# KiCad board ETH1CLCR2.kicad_pcb (continued)
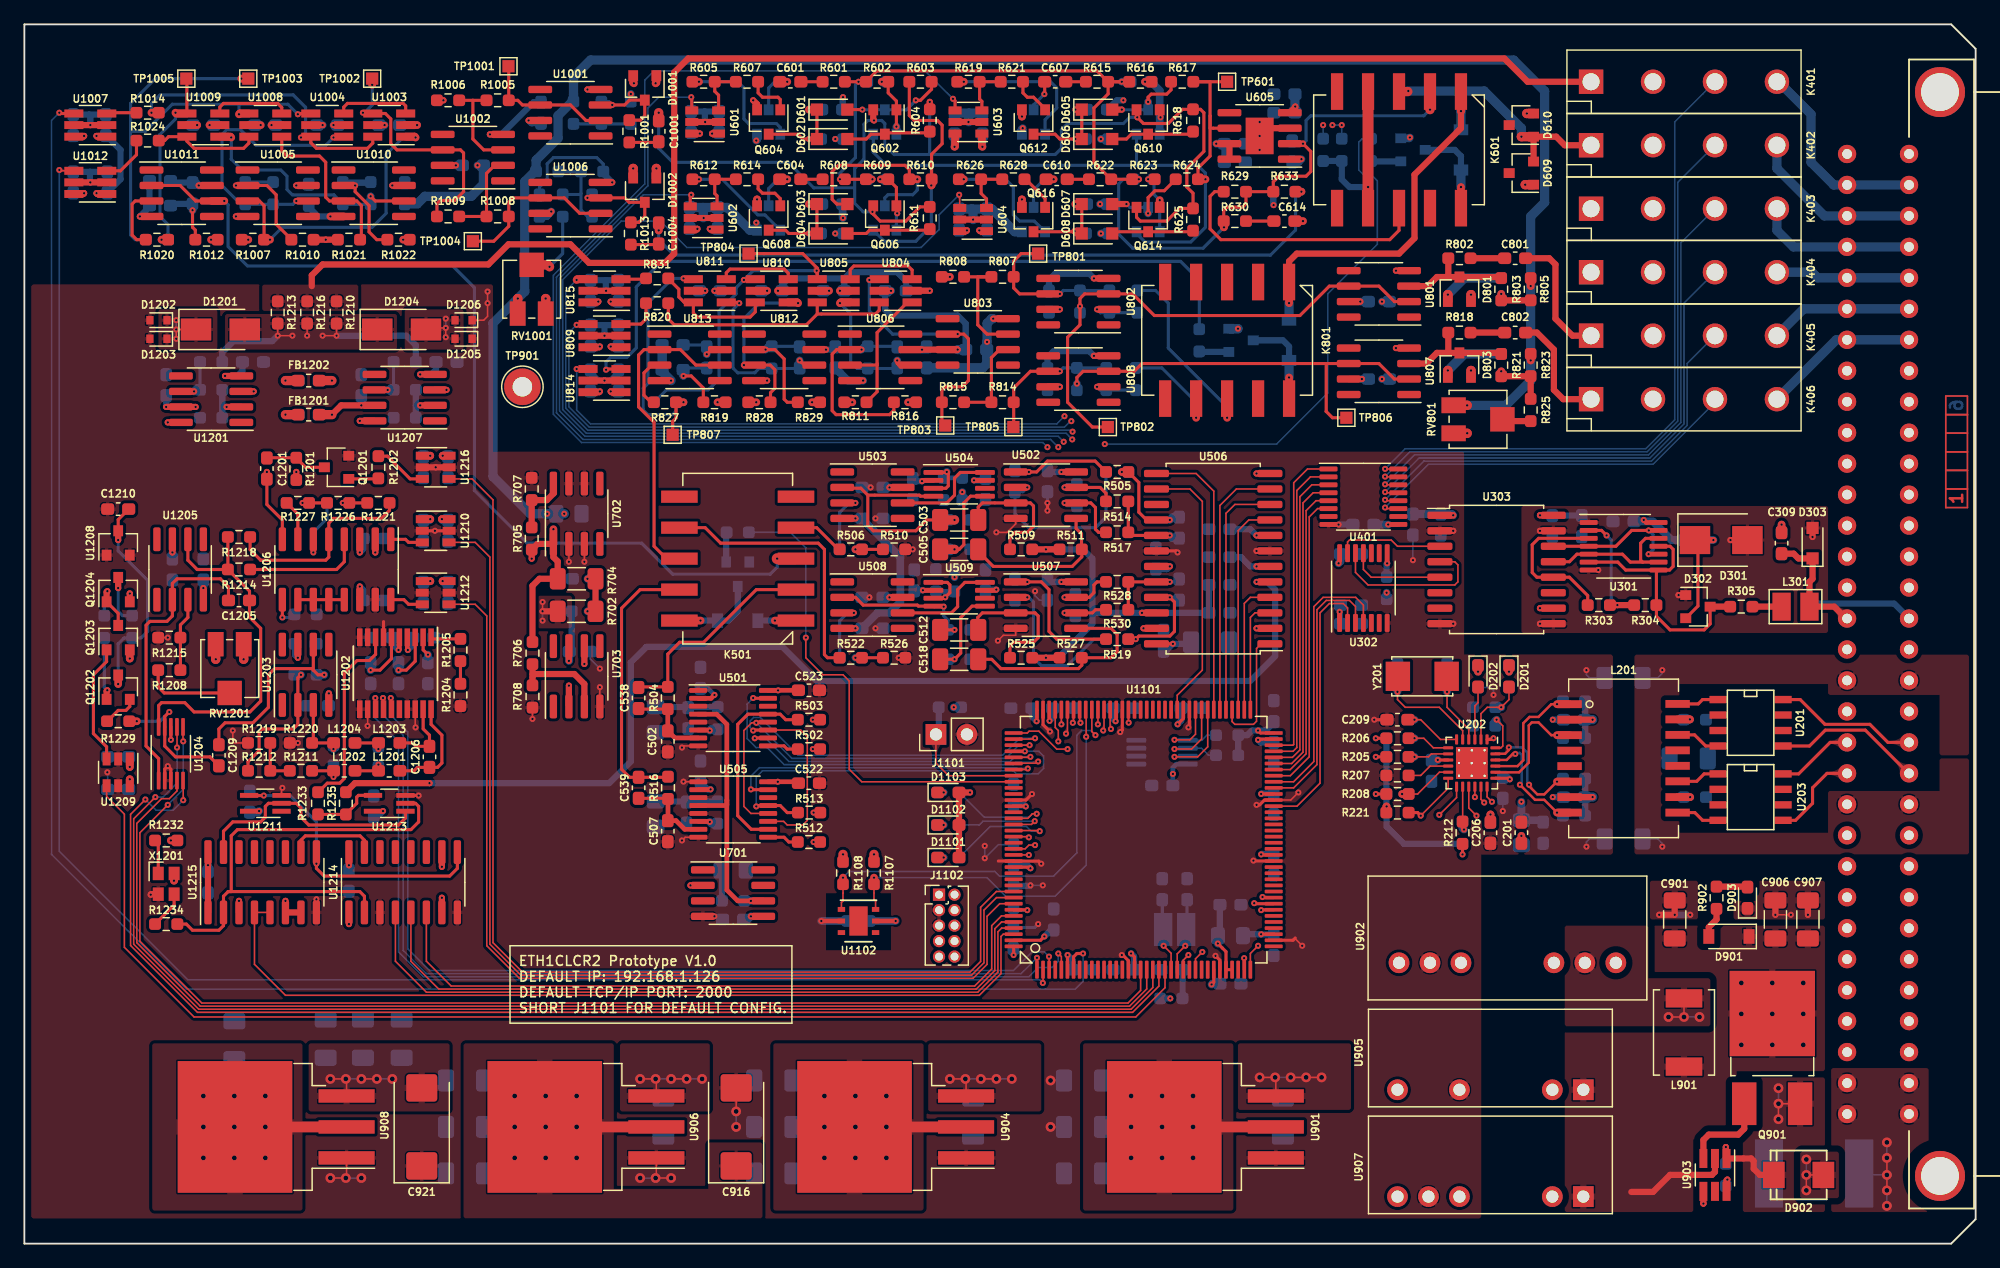
[diagram p0: board, top side]
## Placement (name value [footprint] x y rotation side) (continued)
J1101  Conn_02x01  [PinHeader_1x02_P2.54mm_Vertical]  74.75 41.77 90 top
J1102  20021111-00010T4LF  [PinHeader_2x05_P1.27mm_Vertical]  75 28.62 0 top
K401  HE3621A0510  [HE360_x-5050462-8]  136.09 95.3 0 top
K402  HE3621A0510  [HE360_x-5050462-8]  136.09 90.09 0 top
K403  HE3621A0510  [HE360_x-5050462-8]  136.09 84.88 0 top
K404  HE3621A0510  [HE360_x-5050462-8]  136.09 79.67 0 top
K405  HE3621A0510  [HE360_x-5050462-8]  136.09 74.47 0 top
K406  HE3621A0510  [HE360_x-5050462-8]  136.09 69.26 0 top
K501  TQ2SA-5V  [SA]  58.49 56.18 90 top
K601  TQ2SA-5V  [SA]  112.72 89.71 180 top
K801  TQ2SA-5V  [SA]  98.62 74.09 180 top
L201  -  [749010012A]  131.13 39.8 0 top
L301  CW252016-R33G  [CW252016]  145.23 52.24 180 top
L901  PM1608S-100M-RC  [PM1608S]  136.09 17.32 90 top
L1201  CBMF1608T100K  [L_0603_1608Metric_Pad1.05x0.95mm_HandSolder]  29.92 38.78 180 top
L1202  CBMF1608T100K  [L_0603_1608Metric_Pad1.05x0.95mm_HandSolder]  26.23 38.78 180 top
L1203  CBMF1608T100K  [L_0603_1608Metric_Pad1.05x0.95mm_HandSolder]  29.92 41.07 180 top
L1204  CBMF1608T100K  [L_0603_1608Metric_Pad1.05x0.95mm_HandSolder]  26.23 41.07 180 top
Q501  BC847  [SOT-23]  58.49 54.91 270 bottom
Q601  MMBFJ309LT1G  [SOT-23]  70.56 91.99 90 bottom
Q602  MMBFJ309LT1G  [SOT-23]  70.56 91.99 270 top
Q603  BC847  [SOT-23]  61.03 91.99 90 bottom
Q604  BC857  [SOT-23]  61.03 91.99 270 top
Q605  MMBFJ309LT1G  [SOT-23]  70.56 84.12 90 bottom
Q606  MMBFJ309LT1G  [SOT-23]  70.56 84.12 270 top
Q607  BC847  [SOT-23]  61.03 84.12 90 bottom
Q608  BC857  [SOT-23]  61.03 84.12 270 top
Q609  MMBFJ309LT1G  [SOT-23]  92.15 91.99 90 bottom
Q610  MMBFJ309LT1G  [SOT-23]  92.15 91.99 270 top
Q611  BC847  [SOT-23]  82.75 91.99 90 bottom
Q612  BC857  [SOT-23]  82.75 91.99 270 top
Q613  MMBFJ309LT1G  [SOT-23]  92.15 83.99 90 bottom
Q614  MMBFJ309LT1G  [SOT-23]  92.15 83.99 270 top
Q615  BC847  [SOT-23]  82.75 83.99 90 bottom
Q616  BC857  [SOT-23]  82.75 83.99 270 top
Q617  BC847  [SOT-23]  113.86 89.71 0 bottom
Q801  BC847  [SOT-23]  99.77 74.09 0 bottom
Q901  IRFR5410  [TO-252-2_Rectifier]  143.33 16.05 90 top
Q1201  FDV301N  [SOT-23]  25.6 63.67 180 top
Q1202  2SC3326B  [SOT-23]  7.69 45.64 90 top
Q1203  DTA144E  [SOT-23]  7.69 49.7 90 top
Q1204  DTC114E  [SOT-23]  7.69 53.64 90 top
R201  49R9  [R_0603_1608Metric_Pad0.98x0.95mm_HandSolder]  127.07 44.5 180 bottom
R202  49R9  [R_0603_1608Metric_Pad0.98x0.95mm_HandSolder]  127.07 41.45 180 bottom
R203  49R9  [R_0603_1608Metric_Pad0.98x0.95mm_HandSolder]  127.07 38.15 180 bottom
R204  49R9  [R_0603_1608Metric_Pad0.98x0.95mm_HandSolder]  127.07 35.1 180 bottom
R205  33  [R_0603_1608Metric_Pad0.98x0.95mm_HandSolder]  112.59 39.92 180 top
R206  33  [R_0603_1608Metric_Pad0.98x0.95mm_HandSolder]  112.59 41.45 180 top
R207  10k  [R_0603_1608Metric_Pad0.98x0.95mm_HandSolder]  112.59 38.4 180 top
R208  33  [R_0603_1608Metric_Pad0.98x0.95mm_HandSolder]  112.59 36.88 180 top
R209  12k1  [R_0603_1608Metric_Pad0.98x0.95mm_HandSolder]  119.71 42.46 0 bottom
R210  75/1%  [R_0603_1608Metric_Pad0.98x0.95mm_HandSolder]  136.98 36.62 0 bottom
R211  75/1%  [R_0603_1608Metric_Pad0.98x0.95mm_HandSolder]  136.98 42.97 0 bottom
R212  33  [R_0603_1608Metric_Pad0.98x0.95mm_HandSolder]  117.93 33.7 270 top
R213  10k  [R_0603_1608Metric_Pad0.98x0.95mm_HandSolder]  119.71 43.99 180 bottom
R214  270  [R_0603_1608Metric_Pad0.98x0.95mm_HandSolder]  121.74 46.53 270 bottom
R215  270  [R_0603_1608Metric_Pad0.98x0.95mm_HandSolder]  119.2 46.53 270 bottom
R216  1M/1kV  [R_1206_3216Metric_Pad1.30x1.75mm_HandSolder]  131.13 33.19 180 bottom
R217  10k  [R_0603_1608Metric_Pad0.98x0.95mm_HandSolder]  112.59 39.92 0 bottom
R218  10k  [R_0603_1608Metric_Pad0.98x0.95mm_HandSolder]  112.59 41.45 0 bottom
R219  10k  [R_0603_1608Metric_Pad0.98x0.95mm_HandSolder]  112.59 36.88 0 bottom
R220  10k  [R_0603_1608Metric_Pad0.98x0.95mm_HandSolder]  117.93 33.7 90 bottom
R221  1k5  [R_0603_1608Metric_Pad0.98x0.95mm_HandSolder]  112.59 35.35 0 top
R301  10k  [R_0603_1608Metric_Pad0.98x0.95mm_HandSolder]  111.7 53.77 90 bottom
R302  1k  [R_0603_1608Metric_Pad0.98x0.95mm_HandSolder]  136.85 57.7 0 bottom
R303  14k7  [R_0603_1608Metric_Pad0.98x0.95mm_HandSolder]  129.1 52.37 0 top
R304  100  [R_0603_1608Metric_Pad0.98x0.95mm_HandSolder]  132.91 52.37 0 top
R305  47  [R_0603_1608Metric_Pad0.98x0.95mm_HandSolder]  140.79 52.24 0 top
R306  51R1  [R_0603_1608Metric_Pad0.98x0.95mm_HandSolder]  144.09 57.45 270 bottom
R501  634/.1%  [R_0603_1608Metric_Pad0.98x0.95mm_HandSolder]  89.61 63.29 180 bottom
R502  10k  [R_0603_1608Metric_Pad0.98x0.95mm_HandSolder]  64.33 40.56 180 top
R503  10k  [R_0603_1608Metric_Pad0.98x0.95mm_HandSolder]  64.33 42.97 180 top
R504  0  [R_0603_1608Metric_Pad0.98x0.95mm_HandSolder]  52.76 44.75 90 top
R505  91/.1%  [R_0603_1608Metric_Pad0.98x0.95mm_HandSolder]  89.61 63.29 180 top
R506  10k/.1%  [R_0603_1608Metric_Pad0.98x0.95mm_HandSolder]  67.76 56.94 180 top
R507  300  [R_0603_1608Metric_Pad0.98x0.95mm_HandSolder]  67.76 56.94 0 bottom
R508  100k  [R_0603_1608Metric_Pad0.98x0.95mm_HandSolder]  76.65 59.36 0 bottom
R509  10k/.1%  [R_0603_1608Metric_Pad0.98x0.95mm_HandSolder]  81.73 56.94 0 top
R510  10k/.1%  [R_0603_1608Metric_Pad0.98x0.95mm_HandSolder]  71.32 56.94 180 top
R511  10k/.1%  [R_0603_1608Metric_Pad0.98x0.95mm_HandSolder]  85.8 56.94 180 top
R512  10k  [R_0603_1608Metric_Pad0.98x0.95mm_HandSolder]  64.33 32.94 180 top
R513  10k  [R_0603_1608Metric_Pad0.98x0.95mm_HandSolder]  64.35 35.35 180 top
R514  91/.1%  [R_0603_1608Metric_Pad0.98x0.95mm_HandSolder]  89.61 60.88 180 top
R515  100k  [R_0603_1608Metric_Pad0.98x0.95mm_HandSolder]  76.65 56.94 0 bottom
R516  0  [R_0603_1608Metric_Pad0.98x0.95mm_HandSolder]  52.78 37.38 90 top
R517  634/.1%  [R_0603_1608Metric_Pad0.98x0.95mm_HandSolder]  89.61 58.34 180 top
R518  634/.1%  [R_0603_1608Metric_Pad0.98x0.95mm_HandSolder]  89.61 49.58 180 bottom
R519  91/.1%  [R_0603_1608Metric_Pad0.98x0.95mm_HandSolder]  89.61 49.58 180 top
R520  0R22  [R_0603_1608Metric_Pad0.98x0.95mm_HandSolder]  56.86 43.1 90 bottom
R521  0R22  [R_0603_1608Metric_Pad0.98x0.95mm_HandSolder]  56.84 35.35 90 bottom
R522  10k/.1%  [R_0603_1608Metric_Pad0.98x0.95mm_HandSolder]  67.76 48.05 180 top
R523  300  [R_0603_1608Metric_Pad0.98x0.95mm_HandSolder]  67.76 48.05 0 bottom
R524  100k  [R_0603_1608Metric_Pad0.98x0.95mm_HandSolder]  76.65 50.34 0 bottom
R525  10k/.1%  [R_0603_1608Metric_Pad0.98x0.95mm_HandSolder]  81.73 48.05 0 top
R526  10k/.1%  [R_0603_1608Metric_Pad0.98x0.95mm_HandSolder]  71.32 48.05 180 top
R527  10k/.1%  [R_0603_1608Metric_Pad0.98x0.95mm_HandSolder]  85.8 48.05 180 top
R528  91/.1%  [R_0603_1608Metric_Pad0.98x0.95mm_HandSolder]  89.61 54.28 180 top
R529  100k  [R_0603_1608Metric_Pad0.98x0.95mm_HandSolder]  76.65 47.92 0 bottom
R530  634/.1%  [R_0603_1608Metric_Pad0.98x0.95mm_HandSolder]  89.61 51.99 180 top
R531  10k  [R_0603_1608Metric_Pad0.98x0.95mm_HandSolder]  58.49 58.34 180 bottom
R532  10k  [R_0603_1608Metric_Pad0.98x0.95mm_HandSolder]  75.38 61.89 270 bottom
R533  10k  [R_0603_1608Metric_Pad0.98x0.95mm_HandSolder]  76.91 61.89 270 bottom
R534  10k  [R_0603_1608Metric_Pad0.98x0.95mm_HandSolder]  74.75 54.4 90 bottom
R535  10k  [R_0603_1608Metric_Pad0.98x0.95mm_HandSolder]  76.27 54.4 90 bottom
R601  33/.1%  [R_0603_1608Metric_Pad0.98x0.95mm_HandSolder]  66.36 95.3 180 top
R602  100/.1%  [R_0603_1608Metric_Pad0.98x0.95mm_HandSolder]  69.92 95.3 180 top
R603  1Meg  [R_0603_1608Metric_Pad0.98x0.95mm_HandSolder]  73.48 95.3 0 top
R604  1Meg  [R_0603_1608Metric_Pad0.98x0.95mm_HandSolder]  74.24 92.12 270 top
R605  10k  [R_0603_1608Metric_Pad0.98x0.95mm_HandSolder]  55.7 95.3 0 top
R606  10k  [R_0603_1608Metric_Pad0.98x0.95mm_HandSolder]  66.24 90.6 0 bottom
R607  10k  [R_0603_1608Metric_Pad0.98x0.95mm_HandSolder]  59.25 95.3 180 top
R608  33/.1%  [R_0603_1608Metric_Pad0.98x0.95mm_HandSolder]  66.36 87.3 180 top
R609  1k/.1%  [R_0603_1608Metric_Pad0.98x0.95mm_HandSolder]  69.92 87.3 180 top
R610  1Meg  [R_0603_1608Metric_Pad0.98x0.95mm_HandSolder]  73.48 87.3 180 top
R611  1Meg  [R_0603_1608Metric_Pad0.98x0.95mm_HandSolder]  74.24 84.12 270 top
R612  10k  [R_0603_1608Metric_Pad0.98x0.95mm_HandSolder]  55.7 87.3 0 top
R613  10k  [R_0603_1608Metric_Pad0.98x0.95mm_HandSolder]  66.24 82.85 0 bottom
R614  10k  [R_0603_1608Metric_Pad0.98x0.95mm_HandSolder]  59.25 87.3 180 top
R615  DNP  [R_0603_1608Metric_Pad0.98x0.95mm_HandSolder]  87.96 95.3 180 top
R616  10k/.1%  [R_0603_1608Metric_Pad0.98x0.95mm_HandSolder]  91.51 95.3 180 top
R617  1Meg  [R_0603_1608Metric_Pad0.98x0.95mm_HandSolder]  94.94 95.3 180 top
R618  1Meg  [R_0603_1608Metric_Pad0.98x0.95mm_HandSolder]  95.83 92.12 270 top
R619  10k  [R_0603_1608Metric_Pad0.98x0.95mm_HandSolder]  77.41 95.3 0 top
R620  10k  [R_0603_1608Metric_Pad0.98x0.95mm_HandSolder]  87.96 90.6 0 bottom
R621  10k  [R_0603_1608Metric_Pad0.98x0.95mm_HandSolder]  80.97 95.3 180 top
R622  DNP  [R_0603_1608Metric_Pad0.98x0.95mm_HandSolder]  88.21 87.3 180 top
R623  100k/.1%  [R_0603_1608Metric_Pad0.98x0.95mm_HandSolder]  91.76 87.3 180 top
R624  1Meg  [R_0603_1608Metric_Pad0.98x0.95mm_HandSolder]  95.32 87.3 180 top
R625  1Meg  [R_0603_1608Metric_Pad0.98x0.95mm_HandSolder]  95.83 83.99 270 top
R626  10k  [R_0603_1608Metric_Pad0.98x0.95mm_HandSolder]  77.54 87.3 0 top
R627  10k  [R_0603_1608Metric_Pad0.98x0.95mm_HandSolder]  87.96 82.85 0 bottom
R628  10k  [R_0603_1608Metric_Pad0.98x0.95mm_HandSolder]  81.1 87.3 180 top
R629  100/.1%  [R_0603_1608Metric_Pad0.98x0.95mm_HandSolder]  99.26 86.28 180 top
R630  47/.1%  [R_0603_1608Metric_Pad0.98x0.95mm_HandSolder]  99.26 83.87 0 top
R631  2/.5%  [R_0603_1608Metric_Pad0.98x0.95mm_HandSolder]  106.5 89.71 90 bottom
R632  2/.5%  [R_0603_1608Metric_Pad0.98x0.95mm_HandSolder]  108.02 89.71 90 bottom
R633  0  [R_0603_1608Metric_Pad0.98x0.95mm_HandSolder]  103.32 86.28 180 top
R634  DNP  [R_0603_1608Metric_Pad0.98x0.95mm_HandSolder]  103.32 86.28 180 bottom
R635  10k  [R_0603_1608Metric_Pad0.98x0.95mm_HandSolder]  110.43 89.71 90 bottom
R701  0R22  [R_0603_1608Metric_Pad0.98x0.95mm_HandSolder]  58.11 28.11 180 bottom
R702  3R3/.5W  [R_1206_3216Metric_Pad1.30x1.75mm_HandSolder]  45.28 51.86 0 top
R703  10  [R_0603_1608Metric_Pad0.98x0.95mm_HandSolder]  45.79 51.86 0 bottom
R704  33/.5W  [R_1206_3216Metric_Pad1.30x1.75mm_HandSolder]  45.28 54.53 0 top
R705  220/.1%  [R_0603_1608Metric_Pad0.98x0.95mm_HandSolder]  41.6 57.83 90 top
R706  3k3/.1%  [R_0603_1608Metric_Pad0.98x0.95mm_HandSolder]  41.66 48.43 270 top
R707  1k1/.1%  [R_0603_1608Metric_Pad0.98x0.95mm_HandSolder]  41.6 61.89 90 top
R708  3k3/.1%  [R_0603_1608Metric_Pad0.98x0.95mm_HandSolder]  41.66 44.88 270 top
R801  DNP  [R_0603_1608Metric_Pad0.98x0.95mm_HandSolder]  86.56 77.26 270 bottom
R802  100/.1%  [R_0603_1608Metric_Pad0.98x0.95mm_HandSolder]  117.67 80.82 0 top
R803  1Meg  [R_0603_1608Metric_Pad0.98x0.95mm_HandSolder]  121.1 78.28 90 top
R804  2k/.1%  [R_0603_1608Metric_Pad0.98x0.95mm_HandSolder]  121.1 78.28 90 bottom
R805  2k/.1%  [R_0603_1608Metric_Pad0.98x0.95mm_HandSolder]  123.51 78.28 270 top
R806  1k8/.1%  [R_0603_1608Metric_Pad0.98x0.95mm_HandSolder]  88.97 77.26 270 bottom
R807  1k/.1%  [R_0603_1608Metric_Pad0.98x0.95mm_HandSolder]  80.21 79.29 0 top
R808  1k/.1%  [R_0603_1608Metric_Pad0.98x0.95mm_HandSolder]  76.14 79.29 0 top
R809  200/.1%  [R_0603_1608Metric_Pad0.98x0.95mm_HandSolder]  91.26 77.26 90 bottom
R810  200/.1%  [R_0603_1608Metric_Pad0.98x0.95mm_HandSolder]  91.13 70.91 270 bottom
R811  100k/.1%  [R_0603_1608Metric_Pad0.98x0.95mm_HandSolder]  68.14 69.01 180 top
R812  10k  [R_0603_1608Metric_Pad0.98x0.95mm_HandSolder]  96.34 74.09 90 bottom
R813  DNP  [R_0603_1608Metric_Pad0.98x0.95mm_HandSolder]  86.3 70.91 270 bottom
R814  1k/.1%  [R_0603_1608Metric_Pad0.98x0.95mm_HandSolder]  80.21 69.01 0 top
R815  1k/.1%  [R_0603_1608Metric_Pad0.98x0.95mm_HandSolder]  76.14 69.01 0 top
R816  2k/.1%  [R_0603_1608Metric_Pad0.98x0.95mm_HandSolder]  72.21 69.01 0 top
R817  18k/.1%  [R_0603_1608Metric_Pad0.98x0.95mm_HandSolder]  69.16 72.69 90 bottom
R818  100/.1%  [R_0603_1608Metric_Pad0.98x0.95mm_HandSolder]  117.67 74.72 0 top
R819  100  [R_0603_1608Metric_Pad0.98x0.95mm_HandSolder]  56.59 69.01 0 top
R820  1k  [R_0603_1608Metric_Pad0.98x0.95mm_HandSolder]  51.89 77.13 180 top
R821  1Meg  [R_0603_1608Metric_Pad0.98x0.95mm_HandSolder]  121.1 72.06 90 top
R822  2k/.1%  [R_0603_1608Metric_Pad0.98x0.95mm_HandSolder]  121.1 72.06 90 bottom
R823  2k/.1%  [R_0603_1608Metric_Pad0.98x0.95mm_HandSolder]  123.51 72.06 270 top
R824  DNP  [R_0603_1608Metric_Pad0.98x0.95mm_HandSolder]  52.52 69.01 0 bottom
R825  47k/.1%  [R_0603_1608Metric_Pad0.98x0.95mm_HandSolder]  123.51 68.37 90 top
R826  1k8/.1%  [R_0603_1608Metric_Pad0.98x0.95mm_HandSolder]  88.72 70.91 270 bottom
R827  3k3/.1%  [R_0603_1608Metric_Pad0.98x0.95mm_HandSolder]  52.52 69.01 0 top
R828  100k/.1%  [R_0603_1608Metric_Pad0.98x0.95mm_HandSolder]  60.27 69.01 180 top
R829  2k/.1%  [R_0603_1608Metric_Pad0.98x0.95mm_HandSolder]  64.33 69.01 0 top
R830  18k/.1%  [R_0603_1608Metric_Pad0.98x0.95mm_HandSolder]  61.28 72.69 90 bottom
R831  1k  [R_0603_1608Metric_Pad0.98x0.95mm_HandSolder]  51.89 79.17 180 top
R901  100k  [R_0603_1608Metric_Pad0.98x0.95mm_HandSolder]  139.52 5.63 270 bottom
R902  330  [R_0603_1608Metric_Pad0.98x0.95mm_HandSolder]  138.75 28.37 90 top
R1001  100/.1%  [R_0603_1608Metric_Pad0.98x0.95mm_HandSolder]  49.6 91.23 270 top
R1002  1Meg  [R_0603_1608Metric_Pad0.98x0.95mm_HandSolder]  47.31 92.76 90 bottom
R1003  2k/.1%  [R_0603_1608Metric_Pad0.98x0.95mm_HandSolder]  49.73 92.76 90 bottom
R1004  2k/.1%  [R_0603_1608Metric_Pad0.98x0.95mm_HandSolder]  45.03 92.76 270 bottom
R1005  1k/.1%  [R_0603_1608Metric_Pad0.98x0.95mm_HandSolder]  38.81 93.77 0 top
R1006  1k/.1%  [R_0603_1608Metric_Pad0.98x0.95mm_HandSolder]  34.74 93.77 0 top
R1007  100k/.1%  [R_0603_1608Metric_Pad0.98x0.95mm_HandSolder]  18.74 82.34 180 top
R1008  1k/.1%  [R_0603_1608Metric_Pad0.98x0.95mm_HandSolder]  38.81 84.25 0 top
R1009  1k/.1%  [R_0603_1608Metric_Pad0.98x0.95mm_HandSolder]  34.74 84.25 0 top
R1010  2k/.1%  [R_0603_1608Metric_Pad0.98x0.95mm_HandSolder]  22.8 82.34 0 top
R1011  18k/.1%  [R_0603_1608Metric_Pad0.98x0.95mm_HandSolder]  20.39 86.15 90 bottom
R1012  100  [R_0603_1608Metric_Pad0.98x0.95mm_HandSolder]  14.93 82.34 0 top
R1013  100/.1%  [R_0603_1608Metric_Pad0.98x0.95mm_HandSolder]  49.73 82.85 270 top
R1014  1k  [R_0603_1608Metric_Pad0.98x0.95mm_HandSolder]  10.1 92.76 180 top
R1015  1Meg  [R_0603_1608Metric_Pad0.98x0.95mm_HandSolder]  46.55 85.14 90 bottom
R1016  DNP  [R_0603_1608Metric_Pad0.98x0.95mm_HandSolder]  10.87 82.34 0 bottom
R1017  2k/.1%  [R_0603_1608Metric_Pad0.98x0.95mm_HandSolder]  46.55 87.93 0 bottom
R1018  2k/.1%  [R_0603_1608Metric_Pad0.98x0.95mm_HandSolder]  42.87 87.93 0 bottom
R1019  47k/.1%  [R_0603_1608Metric_Pad0.98x0.95mm_HandSolder]  44.14 85.14 90 bottom
R1020  3k3/.1%  [R_0603_1608Metric_Pad0.98x0.95mm_HandSolder]  10.87 82.34 0 top
R1021  100k/.1%  [R_0603_1608Metric_Pad0.98x0.95mm_HandSolder]  26.61 82.34 180 top
R1022  2k/.1%  [R_0603_1608Metric_Pad0.98x0.95mm_HandSolder]  30.68 82.34 0 top
R1023  18k/.1%  [R_0603_1608Metric_Pad0.98x0.95mm_HandSolder]  28.39 86.15 90 bottom
R1024  1k  [R_0603_1608Metric_Pad0.98x0.95mm_HandSolder]  10.1 90.47 180 top
R1101  680  [R_0603_1608Metric_Pad0.98x0.95mm_HandSolder]  75.76 31.67 180 bottom
R1102  560  [R_0603_1608Metric_Pad0.98x0.95mm_HandSolder]  75.76 34.34 180 bottom
R1103  680  [R_0603_1608Metric_Pad0.98x0.95mm_HandSolder]  75.76 37 180 bottom
R1104  10k  [R_0603_1608Metric_Pad0.98x0.95mm_HandSolder]  94.05 20.11 0 bottom
R1105  10k  [R_0603_1608Metric_Pad0.98x0.95mm_HandSolder]  81.11 28.43 90 bottom
R1106  10k  [R_0603_1608Metric_Pad0.98x0.95mm_HandSolder]  75.89 43.99 0 bottom
R1107  4k7  [R_0603_1608Metric_Pad0.98x0.95mm_HandSolder]  69.67 30.4 270 top
R1108  4k7  [R_0603_1608Metric_Pad0.98x0.95mm_HandSolder]  67.13 30.4 270 top
R1109  4k7  [R_0603_1608Metric_Pad0.98x0.95mm_HandSolder]  98.62 41.7 180 bottom
R1110  4k7  [R_0603_1608Metric_Pad0.98x0.95mm_HandSolder]  98.62 40.05 180 bottom
R1201  100k  [R_0603_1608Metric_Pad0.98x0.95mm_HandSolder]  22.3 63.55 90 top
R1202  4k7  [R_0603_1608Metric_Pad0.98x0.95mm_HandSolder]  29.03 63.67 90 top
R1203  680/.1%  [R_0603_1608Metric_Pad0.98x0.95mm_HandSolder]  15.31 70.02 0 bottom
R1204  6k8  [R_0603_1608Metric_Pad0.98x0.95mm_HandSolder]  35.76 45 90 top
R1205  2k  [R_0603_1608Metric_Pad0.98x0.95mm_HandSolder]  35.76 48.69 90 top
R1206  100  [R_0603_1608Metric_Pad0.98x0.95mm_HandSolder]  15.31 72.31 180 bottom
R1207  820  [R_0603_1608Metric_Pad0.98x0.95mm_HandSolder]  23.06 46.66 180 bottom
R1208  100k  [R_0603_1608Metric_Pad0.98x0.95mm_HandSolder]  11.88 47.04 0 top
R1209  330/.1%  [R_0603_1608Metric_Pad0.98x0.95mm_HandSolder]  15.31 67.74 180 bottom
R1210  150  [R_0603_1608Metric_Pad0.98x0.95mm_HandSolder]  25.6 76.37 270 top
R1211  200  [R_0603_1608Metric_Pad0.98x0.95mm_HandSolder]  22.68 38.78 0 top
R1212  200  [R_0603_1608Metric_Pad0.98x0.95mm_HandSolder]  19.25 38.78 0 top
R1213  150  [R_0603_1608Metric_Pad0.98x0.95mm_HandSolder]  20.77 76.37 270 top
R1214  220  [R_0603_1608Metric_Pad0.98x0.95mm_HandSolder]  17.6 55.29 180 top
R1215  200  [R_0603_1608Metric_Pad0.98x0.95mm_HandSolder]  11.88 49.7 180 top
R1216  150  [R_0603_1608Metric_Pad0.98x0.95mm_HandSolder]  23.19 76.37 270 top
R1217  680/.1%  [R_0603_1608Metric_Pad0.98x0.95mm_HandSolder]  31.19 70.02 0 bottom
R1218  680  [R_0603_1608Metric_Pad0.98x0.95mm_HandSolder]  17.6 57.96 180 top
R1219  330  [R_0603_1608Metric_Pad0.98x0.95mm_HandSolder]  19.25 41.07 180 top
R1220  200  [R_0603_1608Metric_Pad0.98x0.95mm_HandSolder]  22.68 41.07 180 top
R1221  220  [R_0603_1608Metric_Pad0.98x0.95mm_HandSolder]  29.03 60.75 180 top
R1222  1k  [R_0603_1608Metric_Pad0.98x0.95mm_HandSolder]  23.06 51.61 0 bottom
R1223  100  [R_0603_1608Metric_Pad0.98x0.95mm_HandSolder]  25.72 60.75 0 bottom
R1224  100  [R_0603_1608Metric_Pad0.98x0.95mm_HandSolder]  31.19 72.31 180 bottom
R1225  330/.1%  [R_0603_1608Metric_Pad0.98x0.95mm_HandSolder]  31.19 67.74 180 bottom
R1226  68  [R_0603_1608Metric_Pad0.98x0.95mm_HandSolder]  25.72 60.75 180 top
R1227  200  [R_0603_1608Metric_Pad0.98x0.95mm_HandSolder]  22.42 60.75 0 top
R1228  33  [R_0603_1608Metric_Pad0.98x0.95mm_HandSolder]  22.42 60.75 180 bottom
R1229  51  [R_0603_1608Metric_Pad0.98x0.95mm_HandSolder]  7.69 42.84 180 top
R1230  10k  [R_0603_1608Metric_Pad0.98x0.95mm_HandSolder]  6.55 50.59 90 bottom
R1231  680  [R_0603_1608Metric_Pad0.98x0.95mm_HandSolder]  8.83 50.59 90 bottom
R1232  4k7  [R_0603_1608Metric_Pad0.98x0.95mm_HandSolder]  11.63 33.07 180 top
R1233  68  [R_0603_1608Metric_Pad0.98x0.95mm_HandSolder]  24.07 36.11 270 top
R1234  68  [R_0603_1608Metric_Pad0.98x0.95mm_HandSolder]  11.63 26.21 180 top
R1235  68  [R_0603_1608Metric_Pad0.98x0.95mm_HandSolder]  26.36 36.11 270 top
RV801  3314J-1-203E  [Potentiometer_Bourns_3314J_Vertical]  119.2 67.61 90 top
RV1001  3314J-1-203E  [Potentiometer_Bourns_3314J_Vertical]  41.6 78.28 180 top
RV1201  3314J-1-104E  [Potentiometer_Bourns_3314J_Vertical]  16.83 47.16 0 top
TP601  TestPoint  [TestPoint_Pad_1.0x1.0mm]  98.62 95.3 0 top
TP801  TestPoint  [TestPoint_Pad_1.0x1.0mm]  83.13 81.2 0 top
TP802  TestPoint  [TestPoint_Pad_1.0x1.0mm]  88.84 66.97 0 top
TP803  TestPoint  [TestPoint_Pad_1.0x1.0mm]  75.51 67.1 0 top
TP804  TestPoint  [TestPoint_Pad_1.0x1.0mm]  59.38 81.2 0 top
TP805  TestPoint  [TestPoint_Pad_1.0x1.0mm]  81.1 66.97 0 top
TP806  TestPoint  [TestPoint_Pad_1.0x1.0mm]  108.4 67.74 0 top
TP807  TestPoint  [TestPoint_Pad_1.0x1.0mm]  53.16 66.34 0 top
TP901  TestPoint  [TestPoint_Loop_D2.60mm_Drill1.6mm_Beaded]  40.84 70.28 0 top
TP1001  TestPoint  [TestPoint_Pad_1.0x1.0mm]  39.69 96.57 0 top
TP1002  TestPoint  [TestPoint_Pad_1.0x1.0mm]  28.52 95.55 0 top
TP1003  TestPoint  [TestPoint_Pad_1.0x1.0mm]  18.36 95.55 0 top
TP1004  TestPoint  [TestPoint_Pad_1.0x1.0mm]  36.77 82.22 0 top
TP1005  TestPoint  [TestPoint_Pad_1.0x1.0mm]  13.28 95.55 0 top
U201  LC03-3.3  [SO8E]  141.55 42.72 270 top
U202  LAN8742A  [QFN-24-1EP_4x4mm_P0.5mm_EP2.6x2.6mm_ThermalVias]  118.69 39.42 270 top
U203  LC03-3.3  [SO8E]  141.55 36.62 270 top
U301  74AC125  [TSSOP-14_4.4x5mm_P0.65mm]  131.13 57.2 0 top
U302  TXB0104PW  [TSSOP-14_4.4x5mm_P0.65mm]  109.8 53.77 90 top
U303  ADuM5402  [SOIC-16W_7.5x10.3mm_P1.27mm]  120.72 55.29 0 top
U401  ULN2003A  [TSSOP-16_4.4x5mm_P0.65mm]  109.8 61.26 0 top
U501  ADS8681IPWR  [TSSOP-16_4.4x5mm_P0.65mm]  58.11 43.1 0 top
U502  AD8656  [SOIC-8_3.9x4.9mm_P1.27mm]  83.76 61.39 0 top
U503  OP1177AR  [SOIC-8_3.9x4.9mm_P1.27mm]  69.54 61.39 0 top
U504  AD8476_MSOP  [MSOP-8_3x3mm_P0.65mm]  76.65 62.28 0 top
U505  ADS8681IPWR  [TSSOP-16_4.4x5mm_P0.65mm]  58.13 35.61 0 top
U506  CS5361  [SOIC-24W_7.5x15.4mm_P1.27mm]  97.48 56.18 180 top
U507  AD8656  [SOIC-8_3.9x4.9mm_P1.27mm]  83.76 52.37 0 top
U508  OP1177AR  [SOIC-8_3.9x4.9mm_P1.27mm]  69.54 52.37 0 top
U509  AD8476_MSOP  [MSOP-8_3x3mm_P0.65mm]  76.65 53.26 0 top
U601  SN74LVC1T45DBV  [SOT-23-6]  55.82 91.99 180 top
U602  SN74LVC1T45DBV  [SOT-23-6]  55.7 84.12 180 top
U603  SN74LVC1T45DBV  [SOT-23-6]  77.41 91.99 180 top
U604  SN74LVC1T45DBV  [SOT-23-6]  77.79 83.99 180 top
U605  ADA4817-1ARDZ  [SOIC-8-1EP_3.9x4.9mm_P1.27mm_EP2.29x3mm]  101.29 90.85 180 top
U701  REF5040ID  [SOIC-8_3.9x4.9mm_P1.27mm]  58.11 28.75 0 top
U702  TL431BCDE4  [SOIC-8_3.9x4.9mm_P1.27mm]  45.28 59.86 90 top
U703  MCP661-E/SN  [SOIC-8_3.9x4.9mm_P1.27mm]  45.28 46.53 90 top
U801  MCP6L91T-E/SN  [SOIC-8_3.9x4.9mm_P1.27mm]  111.07 77.9 180 top
U802  MCP661-E/SN  [SOIC-8_3.9x4.9mm_P1.27mm]  86.43 77.26 180 top
U803  MCP661-E/SN  [SOIC-8_3.9x4.9mm_P1.27mm]  78.18 73.96 180 top
U804  SN74LVC1G3157DBVR  [SOT-23-6_Handsoldering]  71.44 78.15 180 top
U805  SN74LVC1G3157DBVR  [SOT-23-6_Handsoldering]  66.36 78.15 180 top
U806  MCP661-E/SN  [SOIC-8_3.9x4.9mm_P1.27mm]  70.18 72.69 0 top
U807  MCP6L91T-E/SN  [SOIC-8_3.9x4.9mm_P1.27mm]  111.07 71.55 180 top
U808  MCP661-E/SN  [SOIC-8_3.9x4.9mm_P1.27mm]  86.43 70.91 180 top
U809  SN74LVC1T45DBV  [SOT-23-6_Handsoldering]  47.57 74.47 180 top
U810  SN74LVC1G3157DBVR  [SOT-23-6_Handsoldering]  61.28 78.15 180 top
U811  SN74LVC1G3157DBVR  [SOT-23-6_Handsoldering]  56.2 78.15 180 top
U812  MCP661-E/SN  [SOIC-8_3.9x4.9mm_P1.27mm]  62.3 72.69 0 top
U813  MCP6L91T-E/SN  [SOIC-8_3.9x4.9mm_P1.27mm]  54.55 72.69 0 top
U814  SN74LVC1T45DBV  [SOT-23-6_Handsoldering]  47.57 70.78 180 top
U815  SN74LVC1T45DBV  [SOT-23-6_Handsoldering]  47.57 78.15 180 top
U901  LM1117SX-3.3/NOPB  [TO-263-3_TabPin2]  96.84 9.57 180 top
U902  NCS3S1205SC  [NCS3]  121.61 23.03 180 top
U903  MAX5902  [SOT-23-6_Handsoldering]  138.63 5.63 270 top
U904  LM1117SX-5.0/NOPB  [TO-263-3_TabPin2]  71.44 9.57 180 top
U905  NMK2409SAC  [NMK_SINGLE]  120.21 12.62 180 top
U906  LM1117SX-5.0/NOPB  [TO-263-3_TabPin2]  46.05 9.57 180 top
U907  NMK2409SC  [NMK_DUAL]  120.21 3.86 180 top
U908  LM2990SX-5.0  [TO-263-3_TabPin2]  20.64 9.57 180 top
U1001  MCP6L91T-E/SN  [SOIC-8_3.9x4.9mm_P1.27mm]  44.78 92.76 180 top
U1002  MCP661-E/SN  [SOIC-8_3.9x4.9mm_P1.27mm]  36.77 89.07 180 top
U1003  SN74LVC1G3157DBVR  [SOT-23-6_Handsoldering]  29.92 91.74 180 top
U1004  SN74LVC1G3157DBVR  [SOT-23-6_Handsoldering]  24.84 91.74 180 top
U1005  MCP661-E/SN  [SOIC-8_3.9x4.9mm_P1.27mm]  20.77 86.15 0 top
U1006  MCP6L91T-E/SN  [SOIC-8_3.9x4.9mm_P1.27mm]  44.78 85.14 180 top
U1007  SN74LVC1T45DBV  [SOT-23-6_Handsoldering]  5.41 91.74 180 top
U1008  SN74LVC1G3157DBVR  [SOT-23-6_Handsoldering]  19.76 91.74 180 top
U1009  SN74LVC1G3157DBVR  [SOT-23-6_Handsoldering]  14.68 91.74 180 top
U1010  MCP661-E/SN  [SOIC-8_3.9x4.9mm_P1.27mm]  28.65 86.15 0 top
U1011  MCP6L91T-E/SN  [SOIC-8_3.9x4.9mm_P1.27mm]  12.9 86.15 0 top
U1012  SN74LVC1T45DBV  [SOT-23-6_Handsoldering]  5.41 87.04 180 top
U1101  STM32H743ZI  [TQFP-144_20x20mm_P0.5mm]  91.78 33.13 90 top
U1102  HDC1080  [Texas_PWSON-N6]  68.4 26.46 0 top
U1103  24LC08B-E/MS  [MSOP-8_3x3mm_P0.65mm]  93.29 40.31 0 bottom
U1201  LMH6639MA  [SOIC-8_3.9x4.9mm_P1.27mm]  15.31 69.26 180 top
U1202  AD9834  [TSSOP-20_4.4x6.5mm_P0.65mm]  30.42 46.78 270 top
U1203  AD8038ARZ  [SOIC-8_3.9x4.9mm_P1.27mm]  23.06 46.66 90 top
U1204  DAC7811  [VSSOP-10_3x3mm_P0.5mm]  12.01 40.18 90 top
U1205  AD8038ARZ  [SOIC-8_3.9x4.9mm_P1.27mm]  12.77 55.29 90 top
U1206  DG409DY  [SOIC-16_3.9x9.9mm_P1.27mm]  25.6 55.29 270 top
U1207  LMH6639MA  [SOIC-8_3.9x4.9mm_P1.27mm]  31.19 69.39 180 top
U1208  TL431DBZ  [SOT-23]  7.69 57.47 90 top
U1209  SN74LVC1T45DBV  [SOT-23-6]  7.69 38.65 270 top
U1210  SN74LVC1T45DBV  [SOT-23-6]  33.73 58.47 0 top
U1211  74AHC1G14  [SOT-353_SC-70-5_Handsoldering]  19.76 36.11 180 top
U1212  SN74LVC1T45DBV  [SOT-23-6]  33.73 53.39 0 top
U1213  74AUP1G79  [SOT-353_SC-70-5_Handsoldering]  29.92 36.11 180 top
U1214  74AC161  [SOIC-16_3.9x9.9mm_P1.27mm]  31.06 29.64 90 top
U1215  74AC161  [SOIC-16_3.9x9.9mm_P1.27mm]  19.5 29.64 90 top
U1216  SN74LVC1T45DBV  [SOT-23-6]  33.73 63.67 0 top
X1201  830208220601  [IQXO-791]  11.63 29.51 270 top
Y201  NX5032GA-25.000M-LN-CD-1  [NX5032GA]  114.62 46.53 180 top
Y1101  NX3225GD-8MHZ  [NX3225GD]  94.32 25.76 0 bottom

## Footprints (pads in the part's own frame, mm; a bottom-side part is the same pattern mirrored in y, then rotated)
749010012A
  rect 2x0.64 smd: 1(-4.43,4.445) 2(-4.43,3.175) 3(-4.43,1.905) 4(-4.43,0.635) 5(-4.43,-0.635) 6(-4.43,-1.905) 7(-4.43,-3.175) 8(-4.432,-4.445) 9(4.43,-4.445) 10(4.43,-3.175) 11(4.43,-1.88) 12(4.43,-0.61) 13(4.43,0.66) 14(4.43,1.93) 15(4.43,3.2) 16(4.43,4.47)
C_0603_1608Metric_Pad1.08x0.95mm_HandSolder
  rrect 1.075x0.95 smd: 1(-0.863,0) 2(0.863,0)
C_0805_2012Metric_Pad1.18x1.45mm_HandSolder
  rrect 1.175x1.45 smd: 1(-1.038,0) 2(1.038,0)
C_1206_3216Metric_Pad1.33x1.80mm_HandSolder
  rrect 1.325x1.8 smd: 1(-1.562,0) 2(1.562,0)
CP_EIA-7343-20_Kemet-V_Pad2.25x2.55mm_HandSolder
  rrect 2.25x2.55 smd: 1(-3.2,0) 2(3.2,0)
CW252016
  rect 1.5x2.3 smd: 1(-1.143,0) 2(1.143,0)
D_SMA
  rect 2.5x1.8 smd: 1(-2,0) 2(2,0)
D_SMB
  rect 2.5x2.3 smd: 1(-2.15,0) 2(2.15,0)
D_SOD-123
  rect 0.9x1.2 smd: 1(-1.65,0) 2(1.65,0)
D_SOD-323_HandSoldering
  rect 1x1 smd: 1(-1.25,0) 2(1.25,0)
D_SOD-523
  rect 0.6x0.7 smd: 1(-0.7,0) 2(0.7,0)
DO_214AA_REV
  rect 1.778x2.159 smd: 1(2.032,0) 2(-2.032,0)
Fuse_SMD2920
  rect 2.3x5.6 smd: 1(-3.7,0) 2(3.7,0)
HE360_x-5050462-8
  rect 2x2 hole 1.4: 1(-7.62,0)
  round 2 hole 1.4: 2(-2.54,0) 3(2.54,0) 4(7.62,0)
IQXO-791
  rect 1.1x0.9 smd: 1(-0.85,-0.65) 2(0.85,-0.65) 3(0.85,0.65) 4(-0.85,0.65)
L_0603_1608Metric_Pad1.05x0.95mm_HandSolder
  rrect 1.05x0.95 smd: 1(-0.875,0) 2(0.875,0)
L_0805_2012Metric_Pad1.15x1.40mm_HandSolder
  rrect 1.15x1.4 smd: 1(-1.025,0) 2(1.025,0)
LED_0603_1608Metric_Pad1.05x0.95mm_HandSolder
  rrect 1.05x0.95 smd: 1(-0.875,0) 2(0.875,0)
MSOP-8_3x3mm_P0.65mm
  rrect 1.625x0.4 smd: 1(-2.112,0.975) 2(-2.112,0.325) 3(-2.112,-0.325) 4(-2.112,-0.975) 5(2.112,-0.975) 6(2.112,-0.325) 7(2.112,0.325) 8(2.112,0.975)
NCS3
  round 1.7 hole 1: 1(-8.89,0) 2(-6.35,0) 3(-3.81,0) 6(3.81,0) 7(6.35,0) 8(8.89,0)
NMK_DUAL
  rect 1.7x1.7 hole 1: 1(-7.62,0)
  round 1.7 hole 1: 2(-5.08,0) 5(2.54,0) 6(5.08,0) 7(7.62,0)
NMK_SINGLE
  rect 1.7x1.7 hole 1: 1(-7.62,0)
  round 1.7 hole 1: 2(-5.08,0) 5(2.54,0) 7(7.62,0)
NX3225GD
  rect 1.5x2.7 smd: 1(-0.95,0) 2(0.95,0)
NX5032GA
  rect 2x2.4 smd: 1(-2,0) 2(2,0)
PinHeader_1x02_P2.54mm_Vertical
  rect 1.7x1.7 hole 1: 1(0,0)
  oval 1.7x1.7 hole 1: 2(0,-2.54)
PinHeader_2x05_P1.27mm_Vertical
  rect 1x1 hole 0.65: 1(0,0)
  oval 1x1 hole 0.65: 2(1.27,0) 3(0,-1.27) 4(1.27,-1.27) 5(0,-2.54) 6(1.27,-2.54) 7(0,-3.81) 8(1.27,-3.81) 9(0,-5.08) 10(1.27,-5.08)
PM1608S
  rect 1.5x3 smd: 1(-2.8,0) 2(2.8,0)
Potentiometer_Bourns_3314J_Vertical
  rect 1.3x2 smd: 1(1.15,2) 3(-1.15,2)
  rect 2x2 smd: 2(0,-2)
QFN-24-1EP_4x4mm_P0.5mm_EP2.6x2.6mm_ThermalVias
  rrect 1.13x1.13 smd: (-0.65,0.65) (-0.65,-0.65) (0.65,0.65) (0.65,-0.65)
  rrect 0.825x0.25 smd: 1(-1.938,1.25) 2(-1.938,0.75) 3(-1.938,0.25) 4(-1.938,-0.25) 5(-1.938,-0.75) 6(-1.938,-1.25) 13(1.938,-1.25) 14(1.938,-0.75) 15(1.938,-0.25) 16(1.938,0.25) 17(1.938,0.75) 18(1.938,1.25)
  rrect 0.25x0.825 smd: 7(-1.25,-1.938) 8(-0.75,-1.938) 9(-0.25,-1.938) 10(0.25,-1.938) 11(0.75,-1.938) 12(1.25,-1.938) 19(1.25,1.938) 20(0.75,1.938) 21(0.25,1.938) 22(-0.25,1.938) 23(-0.75,1.938) 24(-1.25,1.938)
  round 0.5 hole 0.2: 25(-1.05,1.05) 25(-1.05,0) 25(-1.05,-1.05) 25(0,1.05) 25(0,0) 25(0,-1.05) 25(1.05,1.05) 25(1.05,0) 25(1.05,-1.05)
  rect 2.6x2.6 smd: 25(0,0)
  rect 2.6x2.6 smd far side: 25(0,0)
R_0603_1608Metric_Pad0.98x0.95mm_HandSolder
  rrect 0.975x0.95 smd: 1(-0.912,0) 2(0.912,0)
R_1206_3216Metric_Pad1.30x1.75mm_HandSolder
  rrect 1.3x1.75 smd: 1(-1.55,0) 2(1.55,0)
SA
  rect 1x3 smd: 1(-5.08,-4.78) 2(-2.54,-4.78) 3(0,-4.78) 4(2.54,-4.78) 5(5.08,-4.78) 6(5.08,4.78) 7(2.54,4.78) 8(0,4.78) 9(-2.54,4.78) 10(-5.08,4.78)
SO8E
  rect 0.599x1.4 smd: 1(-1.905,-2.667) 2(-0.635,-2.667) 3(0.635,-2.667) 4(1.905,-2.667) 5(1.905,2.667) 6(0.635,2.667) 7(-0.635,2.667) 8(-1.905,2.667)
Socket_DIN41612-CaseC1-AC-Male-64Pin-2rows
  round 4.1 hole 3.1: 1(-44.45,-5.08) 1(44.45,-5.08)
  round 1.501 hole 0.8: A1(39.37,2.54) A2(36.83,2.54) A3(34.29,2.54) A4(31.75,2.54) A5(29.21,2.54) A6(26.67,2.54) A7(24.13,2.54) A8(21.59,2.54) A9(19.05,2.54) A10(16.51,2.54) A11(13.97,2.54) A12(11.43,2.54) A13(8.89,2.54) A14(6.35,2.54) A15(3.81,2.54) A16(1.27,2.54) A17(-1.27,2.54) A18(-3.81,2.54) A19(-6.35,2.54) A20(-8.89,2.54) A21(-11.43,2.54) A22(-13.97,2.54) A23(-16.51,2.54) A24(-19.05,2.54) A25(-21.59,2.54) A26(-24.13,2.54) A27(-26.67,2.54) A28(-29.21,2.54) A29(-31.75,2.54) A30(-34.29,2.54) A31(-36.83,2.54) A32(-39.37,2.54) C1(39.37,-2.54) C2(36.83,-2.54) C3(34.29,-2.54) C4(31.75,-2.54) C5(29.21,-2.54) C6(26.67,-2.54) C7(24.13,-2.54) C8(21.59,-2.54) C9(19.05,-2.54) C10(16.51,-2.54) C11(13.97,-2.54) C12(11.43,-2.54) C13(8.89,-2.54) C14(6.35,-2.54) C15(3.81,-2.54) C16(1.27,-2.54) C17(-1.27,-2.54) C18(-3.81,-2.54) C19(-6.35,-2.54) C20(-8.89,-2.54) C21(-11.43,-2.54) C22(-13.97,-2.54) C23(-16.51,-2.54) C24(-19.05,-2.54) C25(-21.59,-2.54) C26(-24.13,-2.54) C27(-26.67,-2.54) C28(-29.21,-2.54) C29(-31.75,-2.54) C30(-34.29,-2.54) C31(-36.83,-2.54) C32(-39.37,-2.54)
